# Altium PCB PS-010.PcbDoc (part 2 of 3)
Units mil, origin at the board's own origin, x right, y up, seen from the top; angles counter-clockwise.
Board outline 1750 x 1750 mil, 4 copper layers (L1 - Top Layer, L2 - GND, L3 - PWR, L4 - Bottom Layer), stack 62.178 mil thick; 165 components, 115 nets, 696 pads, 360 vias.
Unrouted connection lines stored in the file: 6.
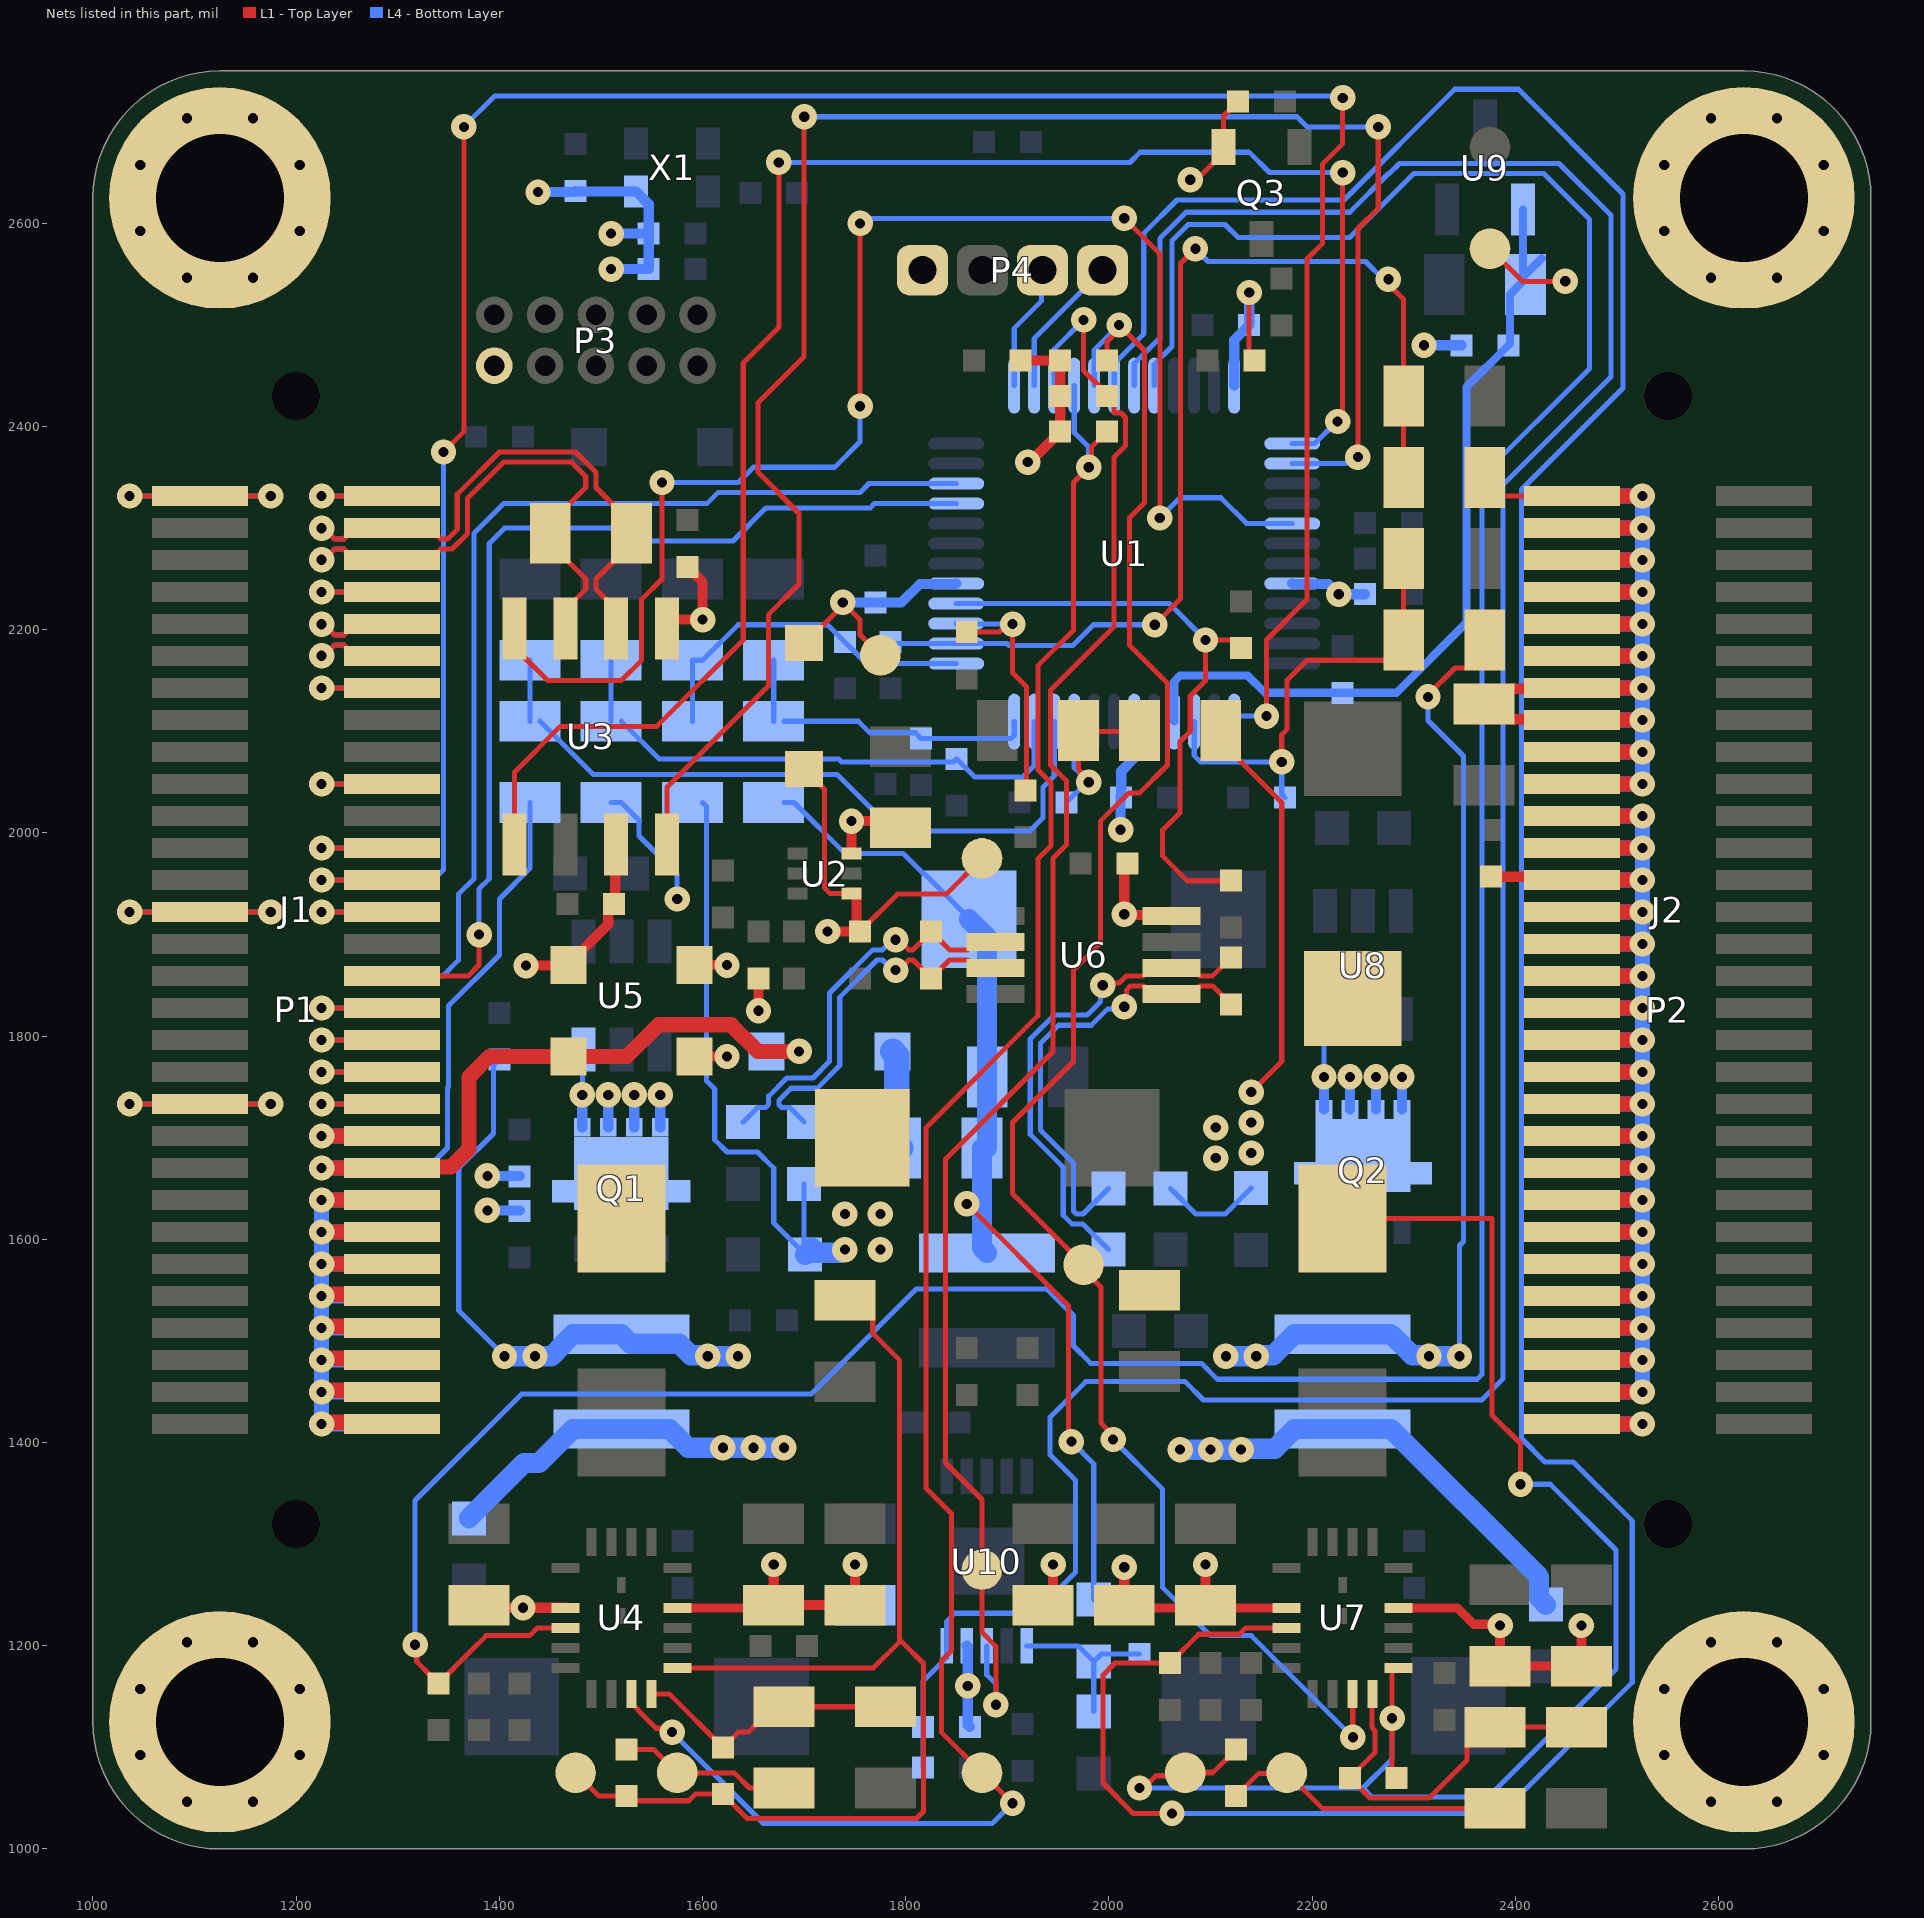
[diagram p4: the nets of this part, all layers, seen from the top]

## Part data (continued)
R16: library part ERJ-2RKF2203X, "RES SMD 220K OHM 1% 1/10W 0402", Digi-Key Part Number=P220KLCT-ND, Manufacturer="Panasonic Electronic Components", Operating Temperature="-55°C ~ 155°C", Package / Case="0402 (1005 Metric)", Power (Watts)="0.1W, 1/10W", Supplier Device Package=0402, Temperature Coefficient=±100ppm/°C, Tolerance=±1%, @ qty=1500, Composition="Thick Film", Datasheets=http://industrial.panasonic.com/www-cgi/jvcr13pz.cgi?E+PZ+3+AOA0002+ERJ2RKF2203X+7+WW, Factory Stock=0, Failure Rate=-, Features="Automotive AEC-Q200", Height - Seated (Max)="0.016\" (0.40mm)", Image=//media.digikey.com/Photos/Panasonic%20Photos/ERJ-PA2-Series.jpg, Minimum Quantity=1, Number of Terminations=2, Packaging="Cut Tape (CT)", Part Number=ERJ-2RKF2203X, Part Status=Active, Quantity Available=68938, Series=ERJ, Size / Dimension="0.039\" L x 0.020\" W (1.00mm x 0.50mm)", Unit Price (USD)=0.00496
R24: library part ERJ-PB6B8662V, "RES SMD 86.6k OHM 0.1% 1/4W 0805", Digi-Key Part Number=P20815CT-ND, Manufacturer="Panasonic Electronic Components", Operating Temperature="-55°C ~ 155°C", Package / Case="0805 (2012 Metric)", Power (Watts)="0.25W, 1/4W", Supplier Device Package=0805, Temperature Coefficient=±50ppm/°C, Tolerance=±0.1%, @ qty=1000, Composition="Thick Film", Datasheets=https://industrial.panasonic.com/cdbs/www-data/pdf/RDA0000/AOA0000C100.pdf, Factory Stock=0, Failure Rate=-, Features="Automotive AEC-Q200, Pulse Withstanding", Height - Seated (Max)="0.028\" (0.70mm)", Image=//media.digikey.com/Renders/Panasonic%20Renders/ERJ-0805%20Pkg.jpg, Minimum Quantity=1, Number of Terminations=2, Packaging="Cut Tape (CT)", Part Number=ERJ-PB6B8662V, Part Status=Active, Quantity Available=10000, Series=ERJ, Size / Dimension="0.079\" L x 0.049\" W (2.00mm x 1.25mm)", Unit Price (USD)=0.04554
R27: library part ERJ-2GEJ473X, "RES SMD 47K OHM 5% 1/10W 0402", Digi-Key Part Number=P47KJCT-ND, Manufacturer="Panasonic Electronic Components", Operating Temperature="-55°C ~ 155°C", Package / Case="0402 (1005 Metric)", Power (Watts)="0.1W, 1/10W", Supplier Device Package=0402, Temperature Coefficient=±200ppm/°C, Tolerance=±5%, @ qty=1500, Composition="Thick Film", Datasheets=http://industrial.panasonic.com/www-cgi/jvcr13pz.cgi?E+PZ+3+AOA0001+ERJ2GEJ473X+7+WW, Factory Stock=0, Failure Rate=-, Features="Automotive AEC-Q200", Height - Seated (Max)="0.016\" (0.40mm)", Image=//media.digikey.com/Photos/Panasonic%20Photos/ERJ-PA2-Series.jpg, Minimum Quantity=1, Number of Terminations=2, Packaging="Cut Tape (CT)", Part Number=ERJ-2GEJ473X, Part Status=Active, Quantity Available=5182645, Series=ERJ, Size / Dimension="0.039\" L x 0.020\" W (1.00mm x 0.50mm)", Unit Price (USD)=0.00350
R28: library part ERJ-3EKF1873V, "RES SMD 187K OHM 1% 1/10W 0603", Digi-Key Part Number=P187KHCT-ND, Manufacturer="Panasonic Electronic Components", Operating Temperature="-55°C ~ 155°C", Package / Case="0603 (1608 Metric)", Power (Watts)="0.1W, 1/10W", Supplier Device Package=0603, Temperature Coefficient=±100ppm/°C, Tolerance=±1%, @ qty=1500, Composition="Thick Film", Datasheets=http://industrial.panasonic.com/www-cgi/jvcr13pz.cgi?E+PZ+3+AOA0002+ERJ3EKF1873V+7+WW, Factory Stock=0, Failure Rate=-, Features="Automotive AEC-Q200", Height - Seated (Max)="0.022\" (0.55mm)", Image=//media.digikey.com/Photos/Panasonic%20Photos/MFG_ERJ-P6W%20Series.jpg, Minimum Quantity=1, Number of Terminations=2, Packaging="Cut Tape (CT)", Part Number=ERJ-3EKF1873V, Part Status=Active, Quantity Available=86417, Series=ERJ, Size / Dimension="0.063\" L x 0.031\" W (1.60mm x 0.80mm)", Unit Price (USD)=0.00379
R31: library part ERJ-3EKF1004V, "RES SMD 1M OHM 1% 1/10W 0603", Digi-Key Part Number=P1.00MHCT-ND, Manufacturer="Panasonic Electronic Components", Operating Temperature="-55°C ~ 155°C", Package / Case="0603 (1608 Metric)", Power (Watts)="0.1W, 1/10W", Supplier Device Package=0603, Temperature Coefficient=±100ppm/°C, Tolerance=±1%, @ qty=1500, Composition="Thick Film", Datasheets=http://industrial.panasonic.com/www-cgi/jvcr13pz.cgi?E+PZ+3+AOA0002+ERJ3EKF1004V+7+WW, Factory Stock=0, Failure Rate=-, Features="Automotive AEC-Q200", Height - Seated (Max)="0.022\" (0.55mm)", Image=//media.digikey.com/Photos/Panasonic%20Photos/MFG_ERJ-P6W%20Series.jpg, Minimum Quantity=1, Number of Terminations=2, Packaging="Cut Tape (CT)", Part Number=ERJ-3EKF1004V, Part Status=Active, Quantity Available=1632074, Series=ERJ, Size / Dimension="0.063\" L x 0.031\" W (1.60mm x 0.80mm)", Unit Price (USD)=0.00379
R32: library part ERJ-6GEYJ2R2V, "RES SMD 2.2 OHM 5% 1/8W 0805", Digi-Key Part Number=P2.2ACT-ND, Manufacturer="Panasonic Electronic Components", Operating Temperature="-55°C ~ 155°C", Package / Case="0805 (2012 Metric)", Power (Watts)="0.125W, 1/8W", Supplier Device Package=0805, Temperature Coefficient="-100/ +600ppm/°C", Tolerance=±5%, @ qty=1500, Composition="Thick Film", Datasheets=http://industrial.panasonic.com/www-cgi/jvcr13pz.cgi?E+PZ+3+AOA0001+ERJ6GEYJ2R2V+7+WW, Factory Stock=0, Failure Rate=-, Features="Automotive AEC-Q200", Height - Seated (Max)="0.028\" (0.70mm)", Image=//media.digikey.com/Renders/Panasonic%20Renders/ERJ-0805%20Pkg.jpg, Minimum Quantity=1, Number of Terminations=2, Packaging="Cut Tape (CT)", Part Number=ERJ-6GEYJ2R2V, Part Status=Active, Quantity Available=74294, Series=ERJ, Size / Dimension="0.079\" L x 0.049\" W (2.00mm x 1.25mm)", Unit Price (USD)=0.00496
R34: library part ERJ-2RKF2002X, "RES SMD 20K OHM 1% 1/10W 0402", Digi-Key Part Number=P20.0KLCT-ND, Manufacturer="Panasonic Electronic Components", Operating Temperature="-55°C ~ 155°C", Package / Case="0402 (1005 Metric)", Power (Watts)="0.1W, 1/10W", Supplier Device Package=0402, Temperature Coefficient=±100ppm/°C, Tolerance=±1%, @ qty=1500, Composition="Thick Film", Datasheets=http://industrial.panasonic.com/www-cgi/jvcr13pz.cgi?E+PZ+3+AOA0002+ERJ2RKF2002X+7+WW, Factory Stock=0, Failure Rate=-, Features="Automotive AEC-Q200", Height - Seated (Max)="0.016\" (0.40mm)", Image=//media.digikey.com/Photos/Panasonic%20Photos/ERJ-PA2-Series.jpg, Minimum Quantity=1, Number of Terminations=2, Packaging="Cut Tape (CT)", Part Number=ERJ-2RKF2002X, Part Status=Active, Quantity Available=1690955, Series=ERJ, Size / Dimension="0.039\" L x 0.020\" W (1.00mm x 0.50mm)", Unit Price (USD)=0.00496
R35 R38: library part ERJ-2GEJ100X, "RES SMD 10 OHM 5% 1/10W 0402", Digi-Key Part Number=P10JCT-ND, Manufacturer="Panasonic Electronic Components", Operating Temperature="-55°C ~ 155°C", Package / Case="0402 (1005 Metric)", Power (Watts)="0.1W, 1/10W", Supplier Device Package=0402, Temperature Coefficient=±200ppm/°C, Tolerance=±5%, @ qty=1500, Composition="Thick Film", Datasheets=http://industrial.panasonic.com/www-cgi/jvcr13pz.cgi?E+PZ+3+AOA0001+ERJ2GEJ100X+7+WW, Factory Stock=0, Failure Rate=-, Features="Automotive AEC-Q200", Height - Seated (Max)="0.016\" (0.40mm)", Image=//media.digikey.com/Photos/Panasonic%20Photos/ERJ-PA2-Series.jpg, Minimum Quantity=1, Number of Terminations=2, Packaging="Cut Tape (CT)", Part Number=ERJ-2GEJ100X, Part Status=Active, Quantity Available=1054751, Series=ERJ, Size / Dimension="0.039\" L x 0.020\" W (1.00mm x 0.50mm)", Unit Price (USD)=0.00350
R37 R39 R46 R47: library part ERJ-PB6B3602V, "RES SMD 36K OHM 0.1% 1/4W 0805", Digi-Key Part Number=P20770CT-ND, Manufacturer="Panasonic Electronic Components", Operating Temperature="-55°C ~ 155°C", Package / Case="0805 (2012 Metric)", Power (Watts)="0.25W, 1/4W", Supplier Device Package=0805, Temperature Coefficient=±50ppm/°C, Tolerance=±0.1%, @ qty=1000, Composition="Thick Film", Datasheets=https://industrial.panasonic.com/cdbs/www-data/pdf/RDA0000/AOA0000C100.pdf, Factory Stock=0, Failure Rate=-, Features="Automotive AEC-Q200, Pulse Withstanding", Height - Seated (Max)="0.028\" (0.70mm)", Image=//media.digikey.com/Renders/Panasonic%20Renders/ERJ-0805%20Pkg.jpg, Minimum Quantity=1, Number of Terminations=2, Packaging="Cut Tape (CT)", Part Number=ERJ-PB6B3602V, Part Status=Active, Quantity Available=10000, Series=ERJ, Size / Dimension="0.079\" L x 0.049\" W (2.00mm x 1.25mm)", Unit Price (USD)=0.04554
R40 R48: library part ERJ-PB6B1103V, "RES SMD 110K OHM 0.1% 1/4W 0805", Digi-Key Part Number=P20826CT-ND, Manufacturer="Panasonic Electronic Components", Operating Temperature="-55°C ~ 155°C", Package / Case="0805 (2012 Metric)", Power (Watts)="0.25W, 1/4W", Supplier Device Package=0805, Temperature Coefficient=±50ppm/°C, Tolerance=±0.1%, @ qty=1000, Composition="Thick Film", Datasheets=https://industrial.panasonic.com/cdbs/www-data/pdf/RDA0000/AOA0000C100.pdf, Factory Stock=0, Failure Rate=-, Features="Automotive AEC-Q200, Pulse Withstanding", Height - Seated (Max)="0.028\" (0.70mm)", Image=//media.digikey.com/Renders/Panasonic%20Renders/ERJ-0805%20Pkg.jpg, Minimum Quantity=1, Number of Terminations=2, Packaging="Cut Tape (CT)", Part Number=ERJ-PB6B1103V, Part Status=Active, Quantity Available=10000, Series=ERJ, Size / Dimension="0.079\" L x 0.049\" W (2.00mm x 1.25mm)", Unit Price (USD)=0.04554
R41: library part ERJ-PB6B2403V, "RES SMD 240K OHM 0.1% 1/4W 0805", Digi-Key Part Number=P20863CT-ND, Manufacturer="Panasonic Electronic Components", Operating Temperature="-55°C ~ 155°C", Package / Case="0805 (2012 Metric)", Power (Watts)="0.25W, 1/4W", Supplier Device Package=0805, Temperature Coefficient=±50ppm/°C, Tolerance=±0.1%, @ qty=1000, Composition="Thick Film", Datasheets=https://industrial.panasonic.com/cdbs/www-data/pdf/RDA0000/AOA0000C100.pdf, Factory Stock=0, Failure Rate=-, Features="Automotive AEC-Q200, Pulse Withstanding", Height - Seated (Max)="0.028\" (0.70mm)", Image=//media.digikey.com/Renders/Panasonic%20Renders/ERJ-0805%20Pkg.jpg, Minimum Quantity=1, Number of Terminations=2, Packaging="Cut Tape (CT)", Part Number=ERJ-PB6B2403V, Part Status=Active, Quantity Available=10000, Series=ERJ, Size / Dimension="0.079\" L x 0.049\" W (2.00mm x 1.25mm)", Unit Price (USD)=0.04554
R42 R43 R44 R49 R50 R51: library part ERJ-PB6B2002V, "RES SMD 20K OHM 0.1% 1/4W 0805", Digi-Key Part Number=P20740CT-ND, Manufacturer="Panasonic Electronic Components", Operating Temperature="-55°C ~ 155°C", Package / Case="0805 (2012 Metric)", Power (Watts)="0.25W, 1/4W", Supplier Device Package=0805, Temperature Coefficient=±50ppm/°C, Tolerance=±0.1%, @ qty=1000, Composition="Thick Film", Datasheets=https://industrial.panasonic.com/cdbs/www-data/pdf/RDA0000/AOA0000C100.pdf, Factory Stock=0, Failure Rate=-, Features="Automotive AEC-Q200, Pulse Withstanding", Height - Seated (Max)="0.028\" (0.70mm)", Image=//media.digikey.com/Renders/Panasonic%20Renders/ERJ-0805%20Pkg.jpg, Minimum Quantity=1, Number of Terminations=2, Packaging="Cut Tape (CT)", Part Number=ERJ-PB6B2002V, Part Status=Active, Quantity Available=10000, Series=ERJ, Size / Dimension="0.079\" L x 0.049\" W (2.00mm x 1.25mm)", Unit Price (USD)=0.04554
R45: library part ERJ-PB6B1002V, "RES SMD 10K OHM 0.1% 1/4W 0805", Digi-Key Part Number=P20708CT-ND, Manufacturer="Panasonic Electronic Components", Operating Temperature="-55°C ~ 155°C", Package / Case="0805 (2012 Metric)", Power (Watts)="0.25W, 1/4W", Supplier Device Package=0805, Temperature Coefficient=±50ppm/°C, Tolerance=±0.1%, @ qty=1000, Composition="Thick Film", Datasheets=https://industrial.panasonic.com/cdbs/www-data/pdf/RDA0000/AOA0000C100.pdf, Factory Stock=0, Failure Rate=-, Features="Automotive AEC-Q200, Pulse Withstanding", Height - Seated (Max)="0.028\" (0.70mm)", Image=//media.digikey.com/Renders/Panasonic%20Renders/ERJ-0805%20Pkg.jpg, Minimum Quantity=1, Number of Terminations=2, Packaging="Cut Tape (CT)", Part Number=ERJ-PB6B1002V, Part Status=Active, Quantity Available=10000, Series=ERJ, Size / Dimension="0.079\" L x 0.049\" W (2.00mm x 1.25mm)", Unit Price (USD)=0.04554
R56: library part ERJ-2GEJ221X, "RES SMD 220 OHM 5% 1/10W 0402", Digi-Key Part Number=P220JCT-ND, Manufacturer="Panasonic Electronic Components", Operating Temperature="-55°C ~ 155°C", Package / Case="0402 (1005 Metric)", Power (Watts)="0.1W, 1/10W", Supplier Device Package=0402, Temperature Coefficient=±200ppm/°C, Tolerance=±5%, @ qty=1500, Composition="Thick Film", Datasheets=http://industrial.panasonic.com/www-cgi/jvcr13pz.cgi?E+PZ+3+AOA0001+ERJ2GEJ221X+7+WW, Factory Stock=0, Failure Rate=-, Features="Automotive AEC-Q200", Height - Seated (Max)="0.016\" (0.40mm)", Image=//media.digikey.com/Photos/Panasonic%20Photos/ERJ-PA2-Series.jpg, Minimum Quantity=1, Number of Terminations=2, Packaging="Cut Tape (CT)", Part Number=ERJ-2GEJ221X, Part Status=Active, Quantity Available=702646, Series=ERJ, Size / Dimension="0.039\" L x 0.020\" W (1.00mm x 0.50mm)", Unit Price (USD)=0.00350
D1 D2 D3: Unit Price (USD)=0.37
D4 D5: Unit Price (USD)=0.19
J1 J2: Unit Price (USD)=1.28
L1: DCR=3.6mohm, Imax=23A, Isat=15.2A, SFR=110MHz, Unit Price (USD)=2.40
L3: DCR=3.0mohm, Imax=24A, Isat=16.5A, SFR=130MHz, Unit Price (USD)=2.40
L5: DCR=78.1mohm, Imax=4.1A, Isat=3.2A, SFR=20MHz, Unit Price (USD)=2.40
MECH1 MECH2 MECH3 MECH4: Unit Price (USD)=1.55
P1 P2: Unit Price (USD)=1.52
P3: Unit Price (USD)=0.75
P4: Unit Price (USD)=0.24
U1 U5 U8: Unit Price (USD)=2.35
U2: Unit Price (USD)=0.44
U3: Unit Price (USD)=0.53
U4 U7: Unit Price (USD)=13.92
U6 U9: Unit Price (USD)=0.69
U10: Unit Price (USD)=5.1
X1: Unit Price (USD)=2.37

## Free pads (board coordinates)
  round 218 hole 125.98: 0(1125,1125) 0(1125,2625) 0(2625,1125) 0(2625,2625)

## Via types
v1: diameter 25, hole 10, L1 - Top Layer to L4 - Bottom Layer, tented both sides, 360 vias

## Nets (pads, with @x,y where several pads share a name; then routed paths per layer and width w, separated by ;. In a path a pad name is that pad's centre, name@x,y a point inside that pad or via, vN(x,y) a via of type N, cw(c..) or ccw(c..) an arc to the next point about the centre after c; other vN are vias at no path point)
+0.9V_REF: J1.42 P1.42 | length 131.1
  L1 - Top Layer w15: v1(1225,1701.77) J1.42@1294.49,1701.77
  L4 - Bottom Layer w15: v1(1225,1701.77) P1.42@1286.61,1701.77
+2.048VA: C40.2 C60.2 R36.1 TP7.1 U1.4 U9.K | length 947.1
  L1 - Top Layer w5: TP7.1@2375,2575 2407,2543 v1(2449,2543)
  L4 - Bottom Layer w5: C40.2@2410.4,2543 v1(2449,2543)
  L4 - Bottom Layer w8: U1.4@2064.21,2109.65 2064.21,2149.21 2070,2155 2136.5,2155 2153.5,2138 C60.2@2230,2138 2283,2138 2352,2207 2352,2439 2394.51,2481.51 2394.51,2530.11 2407.4,2543 C40.2@2407.4,2547.4 ; U9.K@2407.4,2613.66 C40.2@2407.4,2547.4 ; C40.2@2426,2566 C40.2@2407.4,2547.4
+3.3V: C2.2 C3.2 C4.2 C5.2 C6.2 C9.2 C10.2 C13.1 D5.A P3.1 P4.1 Q3.S R2.2 R4.2 R5.2 R7.2 R17.2 R30.2 R36.2 R55.2 TP1.1 U1.6 U1.17 U1.36 U1.44 U2.3 U3.5 X1.4 | length 1330
  L1 - Top Layer w5: D5.A@1700,2187.01 1700.98,2187.01 1738,2224.02 v1(1738,2227) 1755,2210 1755,2195 TP1.1@1775,2175 ; v1@1742.44,2011.69 v1(1746.57,2011.69) ; TP1.1@1770,2170 TP1.1@1774.13,2170 ; v1(2080,2643) 2083.83,2646.83 2090.06,2646.83 2112.6,2669.37 Q3.S@2112.6,2675.28 2112.6,2705.6 R55.2@2127,2720 ; v1(2138,2532) 2138,2470 R5.2@2143,2465
  L1 - Top Layer w10: U3.5@1565,2201.3 1565,2203.19 1571.81,2210 v1(1600,2210) 1600,2247 1590.83,2256.17 C13.1@1585,2262 ; U2.3@1746.57,1979.69 v1(1746.57,2011.69) 1788.31,2011.69 C2.2@1795,2005 ; R2.2@1913,2465 R17.2@1952,2465 R30.2@1952,2430 R7.2@1952,2395 1922,2365 v1(1920,2365)
  L4 - Bottom Layer w10: v1(1438,2630.76) R4.2@1475,2630.76 ; R4.2@1475,2632 1475.62,2631.38 X1.4@1534.57,2631.38 1547,2618.94 C6.2@1547,2590 ; v1(1510,2555) C5.2@1547,2555 C6.2@1547,2590 ; v1(1510,2590) C6.2@1547,2590 ; v1(1738,2227) C3.2@1770,2227 1795.83,2227 1813.95,2245.13 1849.3,2245.13 U1.17@1849.65,2245.47 ; v1(2011.49,2003.21) C4.2@2011.49,2035.21 ; C4.2@2012,2035 2012,2060.83 2024.5,2073.32 2024.5,2109.3 U1.6@2024.84,2109.65 ; U1.36@2123.27,2440.35 2123.27,2485.27 C9.2@2138,2500 v1(2138,2532) ; U1.44@2180.35,2245.47 2180.7,2245.13 2216.05,2245.13 v1(2226.17,2235) C10.2@2252,2235 ; v1(2310,2480) R36.2@2347,2480
+4.5V_INT: C1.2 C25.1 D1.K D2.K D5.K R26.2 TP6.1 U2.1 U6.8 | length 574.2
  L1 - Top Layer w5: D5.K@1700,2062.99 1700.98,2062.99 1716.2,2047.78 1716.2,2046.79 1720,2042.99 1720,1946 1725.68,1940.32 U2.1@1746.57,1940.32 ; C1.2@1751.42,1903 C1.2@1755,1903 1791.81,1939.81 1839.81,1939.81 TP6.1@1875,1975
  L1 - Top Layer w10: D2.K@1592.01,1780 v1(1624.01,1780) ; D1.K@1592.01,1870 v1(1624.01,1870) ; v1(1655,1825) R26.2@1655,1857 ; v1(1723,1903) C1.2@1751.42,1903 ; U2.1@1746.57,1940.32 1750.51,1940.32 1751.42,1939.41 1751.42,1906.58 C1.2@1755,1903 ; C25.1@2018,1970 2015,1967 v1(2015,1920) 2015.81,1919.19 2060.81,1919.19 U6.8@2061.61,1918.39
+5V: C12.1 C19.2 C20.1 D1.A J1.46 J1.48 J1.50 J1.52 J1.54 J1.56 J1.58 J1.60 P1.46 P1.48 P1.50 P1.52 P1.54 P1.56 P1.58 P1.60 Q1.D R39.2 U3.3 U5.6 | length 1819.2
  L1 - Top Layer w10: v1(1426.2,1869.49) D1.A@1468.2,1869.49 ; D1.A@1467.99,1870 1467.99,1870.98 1507.17,1910.17 1507.17,1924.17 C12.1@1513,1930 1514,1931 1514,1987.7 U3.3@1515,1988.7
  L1 - Top Layer w15: v1(1225,1575.79) J1.50@1294.49,1575.79 ; v1(1225,1607.28) J1.48@1294.49,1607.28 ; v1(1225,1638.78) J1.46@1294.49,1638.78 ; v1@1235.51,1420 J1.60@1305,1420 ; v1@1235.51,1451.5 J1.58@1305,1451.5 ; v1@1235.51,1482.99 J1.56@1305,1482.99 ; v1@1235.51,1514.49 J1.54@1305,1514.49 ; v1@1235.51,1545.98 J1.52@1305,1545.98
  L4 - Bottom Layer w5: v1@1481.61,1737.28 1481.61,1785.87 U5.6@1482.6,1786.85 ; R39.2@1510,2030 1520,2030 1537.5,2012.5 1537.5,1997.08 1575,1959.58 v1(1575,1935)